# KiCad board SHVC-CPU-01.kicad_pcb
title: SHVC-CPU-01; date: 2025-05-18; rev: A; company: License: CERN-OHL-S; note: This Document Is Not Endorsed by Nintendo; note: Documented by starlightk7 for Repair Usage; note: Originally Designed By Nintendo; note: Used In Launch Super Famicoms and SNES Units
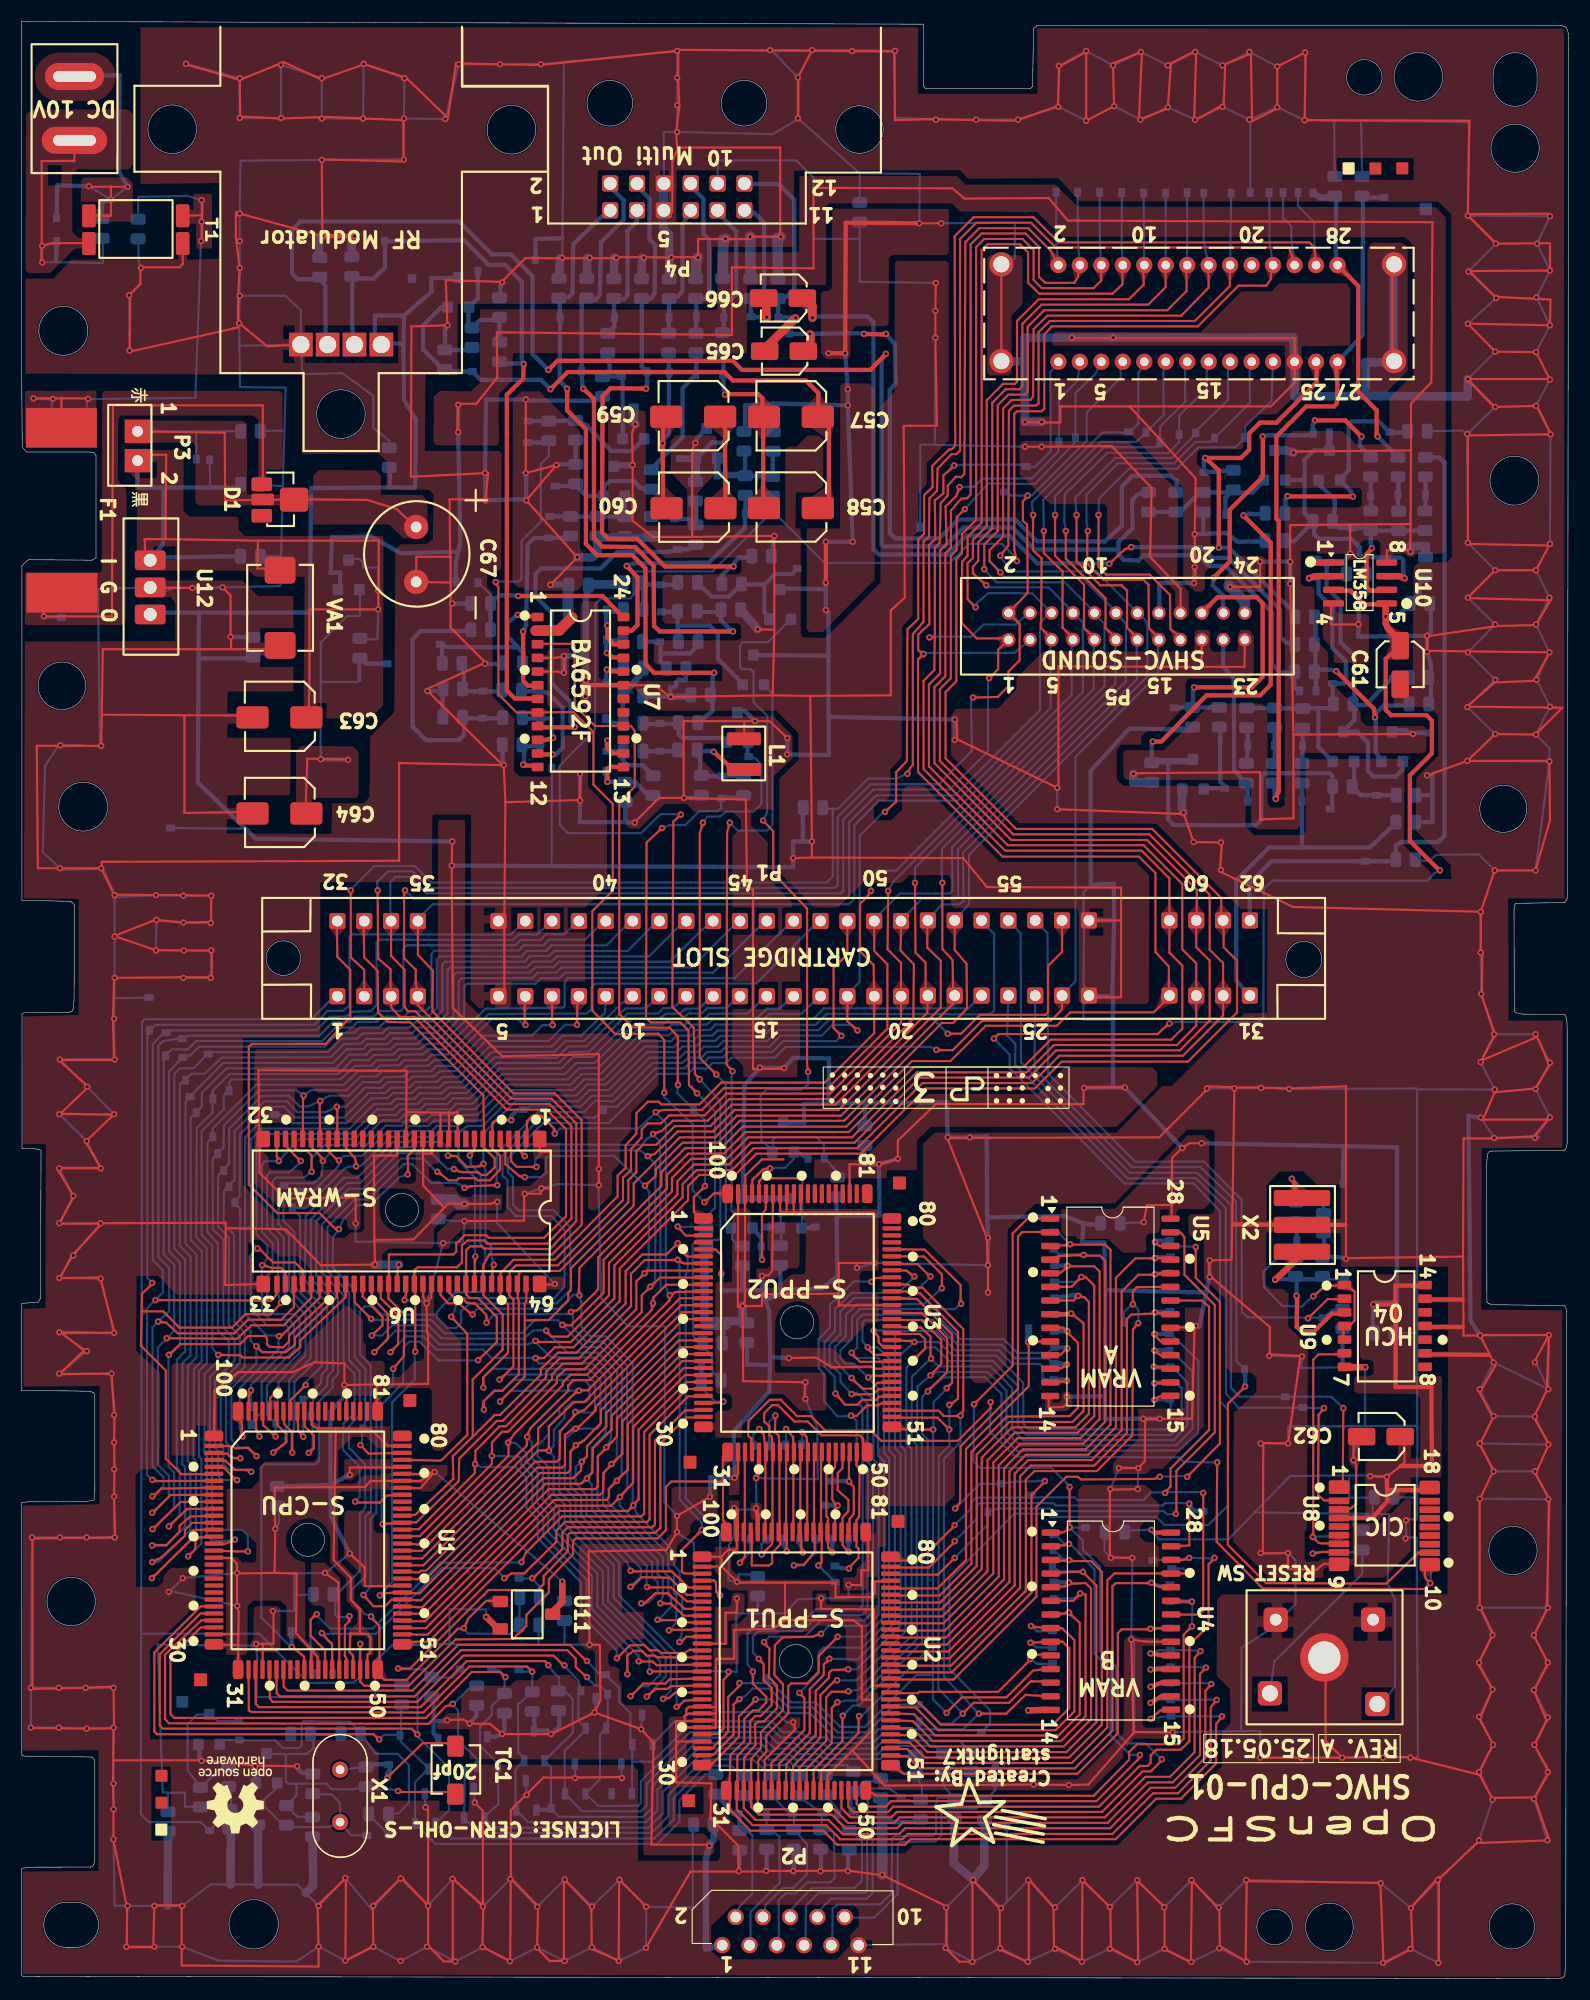
[diagram p0: board, top side]
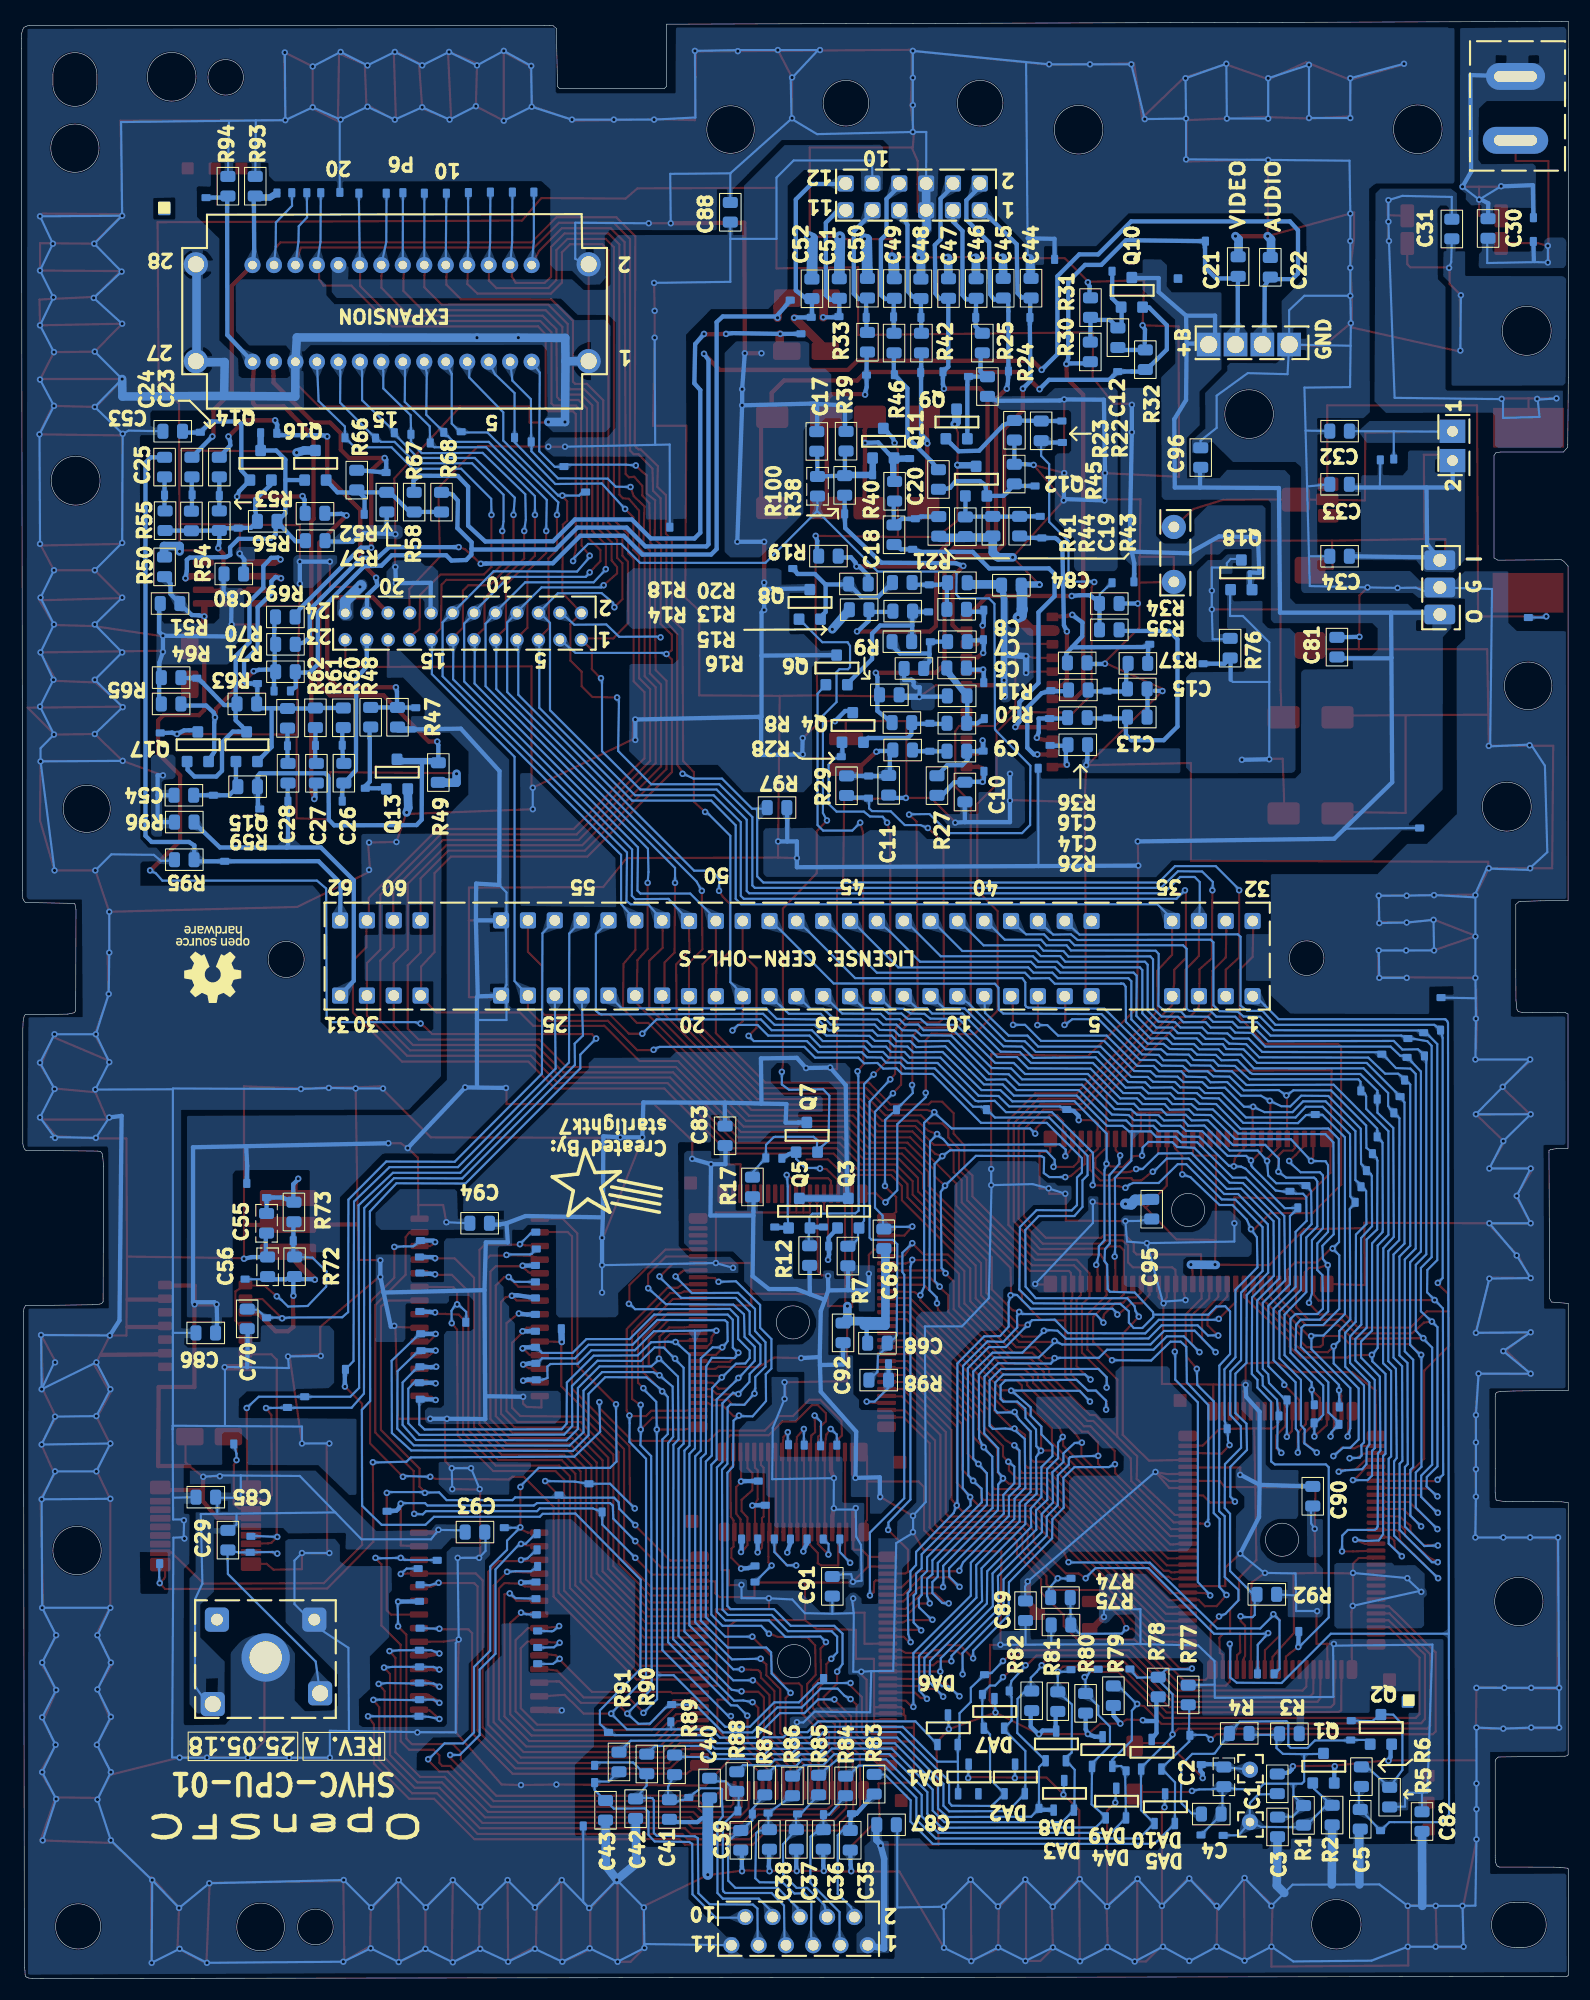
[diagram p1: board, bottom side, seen from below]

Outline 144.1 x 182.2 mm; copper layers: Top, Bottom. Coordinates in mm from the lower left corner of the outline.
Outline path: circle c3.76,120.35 r2.21 ; circle c3.9,153.4 r2.28 ; circle c4.63,35.1 r2.25 ; circle c5.75,109.1 r2.28 ; circle c21.63,5.05 r2.3 ; circle c26.69,40.85 r1.54 ; circle c35.44,71.55 r1.54 ; circle c72.14,29.55 r1.54 ; circle c72.25,61.09 r1.54 ; circle c116.73,4.8 r1.66 ; circle c121.83,4.8 r2.22 ; circle c125.08,177 r1.65 ; circle c130.11,177.05 r2.26 ; circle c138.03,108.9 r2.19 ; circle c138.83,4.85 r2.1 ; circle c138.93,39.85 r2.25 ; circle c139.06,139.45 r2.28 ; circle c139.13,170.4 r2.25 ; 0,0.32 0.03,10.2 0.07,10.27 0.8,10.34 1.4,10.37 6.43,10.38 6.52,10.4 6.64,10.47 6.71,10.58 6.78,10.79 6.82,11.06 6.83,11.28 6.83,11.45 6.83,20.25 6.79,20.38 6.62,20.55 6.53,20.62 0.34,20.7 0.08,20.75 0.04,20.86 0.03,44.3 0.64,44.38 5.88,44.4 6.67,44.51 6.75,44.56 6.84,45.24 6.83,47.46 6.83,54.2 6.8,54.42 6.7,54.57 6.33,54.66 5.1,54.7 0.03,54.75 0.03,62.85 1.59,62.98 1.77,63.33 1.82,76.94 1.82,77.1 1.69,77.16 1.46,77.21 1.15,77.25 0.05,77.29 0.05,89.8 0.19,89.87 0.29,89.92 4.33,89.95 4.69,90.02 4.81,90.23 4.9,91.09 4.91,93.96 4.91,100 4.65,100.24 4.51,100.28 2.64,100.33 0.04,100.37 0.04,131.5 0.44,131.94 0.69,132.09 6.58,132.05 6.94,132.25 6.94,141.8 6.77,142.04 6.36,142.12 0.48,142.12 0.08,142.56 0.07,142.79 0.02,149.03 0.03,182.2 84.03,181.95 84.03,176.15 84.23,175.95 93.98,175.95 94.18,176.15 94.28,181.55 94.58,181.8 94.88,181.85 143.38,181.85 143.68,181.75 143.88,181.65 143.98,181.45 144.1,181.04 144.1,179.65 144.01,101.27 143.98,100.56 143.93,100.43 143.88,100.35 143.76,100.19 143.7,100.17 139.18,100.1 139.12,100.02 139.03,99.51 139.05,90.12 139.17,89.92 139.79,89.79 143.76,89.73 143.83,89.66 143.88,89.49 143.95,89.12 143.98,88.4 143.98,77.75 143.94,77.51 143.84,77.24 143.71,77.11 143.62,77.09 137,77.04 136.72,76.97 136.6,76.81 136.53,76.52 136.46,75.64 136.5,63.29 136.5,63 136.63,62.85 136.8,62.79 137.48,62.73 143.73,62.65 143.87,62.4 143.91,62.12 143.84,1.01 143.78,0.75 143.77,0.37 143.72,0.21 143.66,0.14 143.43,0.05 143.04,0 0.15,0.19 0,0.32 ; 4.18,2.9 arc(2.08,5.03) 4.23,7.1 5.08,7.1 arc(7.18,4.97) 5.03,2.9 4.18,2.9 ; 137.08,177.25 arc(139.13,179.3) 141.18,177.25 141.18,176.35 arc(139.13,174.3) 137.08,176.35 137.08,177.25
Stack: Top 0.035mm / dielectric 1.51mm FR4 er 4.5 / Bottom 0.035mm

## Placement (name value [footprint] x y rotation side)
C1  27pF  [SMD_0805]  27.13 18.13 270 bottom
C2  C  [SMD_0805]  32.1 18.78 270 bottom  (not fitted)
C3  56pF  [SMD_0805]  27.1 14.11 270 bottom
C4  56pF  [SMD_0805]  33.28 15.31 180 bottom
C5  10pF  [SMD_0805]  19.4 14.82 270 bottom
C6  1µF  [SMD_0805]  57 122.01 180 bottom
C7  1µF  [SMD_0805]  56.93 124.46 180 bottom
C8  1µF  [SMD_0805]  56.99 127.47 180 bottom
C9  1µF  [SMD_0805]  56.98 114.26 180 bottom
C10  82pF  [SMD_0805]  56.23 110.46 90 bottom
C11  82pF  [SMD_0805]  63.33 111.09 90 bottom
C12  10pF  [SMD_0805]  41.98 152.76 270 bottom
C13  220pF  [SMD_0805]  40.17 117.44 180 bottom
C14  1µF  [SMD_0805]  45.75 117.39 180 bottom
C15  220pF  [SMD_0805]  40.17 120.06 180 bottom
C16  560nF  [SMD_0805]  45.66 119.96 180 bottom
C17  10pF  [SMD_0805]  70.02 143.1 270 bottom
C18  1µF  [SMD_0805]  62.83 134.41 270 bottom
C19  10pF  [SMD_0805]  53.63 135.21 270 bottom
C20  51nF  [SMD_0805]  58.69 139.56 270 bottom
C21  51pF  [SMD_0805]  30.77 159.38 270 bottom
C22  330pF  [SMD_0805]  27.78 159.32 270 bottom
C23  1µF  [SMD_0805]  125.68 140.71 270 bottom
C24  1µF  [SMD_0805]  128.23 140.71 270 bottom
C25  1µF  [SMD_0805]  130.78 140.71 270 bottom
C26  1µF  [SMD_0805]  114.08 112.21 90 bottom
C27  1µF  [SMD_0805]  116.64 112.21 90 bottom
C28  1µF  [SMD_0805]  119.28 112.21 90 bottom
C29  120nF  [SMD_0805]  124.88 40.81 90 bottom
C30  10nF  [SMD_0805]  7.49 162.93 270 bottom
C31  10nF  [SMD_0805]  10.87 162.88 270 bottom
C32  150nF  [SMD_0805]  21.33 144.06 180 bottom
C33  150nF  [SMD_0805]  21.33 139.11 180 bottom
C34  150nF  [SMD_0805]  21.33 132.41 180 bottom
C35  330pF  [SMD_0805]  66.9 12.87 270 bottom
C36  330pF  [SMD_0805]  69.41 12.95 270 bottom
C37  330pF  [SMD_0805]  71.92 12.95 270 bottom
C38  330pF  [SMD_0805]  74.44 12.95 270 bottom
C39  330pF  [SMD_0805]  77.1 12.87 270 bottom
C40  330pF  [SMD_0805]  80.01 17.73 270 bottom
C41  330pF  [SMD_0805]  83.75 15.74 270 bottom
C42  330pF  [SMD_0805]  86.9 15.81 270 bottom
C43  330pF  [SMD_0805]  89.7 15.66 270 bottom
C44  47pF  [SMD_0805]  50.06 157.37 270 bottom
C45  47pF  [SMD_0805]  52.65 157.36 270 bottom
C46  330pF  [SMD_0805]  55.18 157.34 270 bottom
C47  47pF  [SMD_0805]  57.75 157.34 270 bottom
C48  47pF  [SMD_0805]  60.33 157.31 270 bottom
C49  47pF  [SMD_0805]  62.8 157.34 270 bottom
C50  47pF  [SMD_0805]  65.3 157.37 270 bottom
C51  330pF  [SMD_0805]  67.93 157.34 270 bottom
C52  330pF  [SMD_0805]  70.48 157.31 270 bottom
C53  1µF  [SMD_0805]  130.02 144.05 180 bottom
C54  1µF  [SMD_0805]  128.98 110.16 180 bottom
C55  C  [SMD_0805]  121.28 70.31 270 bottom  (not fitted)
C56  C  [SMD_0805]  121.18 66.26 270 bottom  (not fitted)
C57  100µF  [SMD-Cap-M]  71.98 144.75 0 top
C58  100µF  [SMD-Cap-M]  71.98 136.26 0 top
C59  100µF  [SMD-Cap-M]  62.88 144.76 0 top
C60  100µF  [SMD-Cap-M]  62.91 136.25 0 top
C61  10µF  [SMD-Cap-S]  128.48 122.21 90 top
C62  2.2µF  [SMD-Cap-S]  126.55 50.4 0 top
C63  33µF  [SMD-Cap-M]  24.34 116.78 0 top
C64  33µF  [SMD-Cap-M]  24.34 107.83 0 top
C65  10µF  [SMD-Cap-S]  70.95 151.45 0 top
C66  10µF  [SMD-Cap-S]  70.86 156.4 0 top
C67  1000uf  [FilterCap]  36.82 132.54 0 top
C68  56pF  [SMD_0805]  64.37 59.15 0 bottom
C69  82pF  [SMD_0805]  63.77 68.86 90 bottom
C70  82pF  [SMD_0805]  123.08 61.41 270 bottom
C80  120nF  [SMD_0805]  124.33 130.76 0 bottom
C81  1µF  [SMD_0805]  21.58 123.95 90 bottom
C82  12nF  [SMD_0805]  13.65 14.61 270 bottom
C83  120nF  [SMD_0805]  78.56 78.46 90 bottom
C84  1µF  [SMD_0805]  51.9 129.72 180 bottom
C85  120nF  [SMD_0805]  126.93 44.81 180 bottom
C86  10nF  [SMD_0805]  126.94 60.1 0 bottom
C87  10nF  [SMD_0805]  63.53 14.31 180 bottom
C88  10nF  [SMD_0805]  78.08 164.44 270 bottom
C89  10nF  [SMD_0805]  50.58 34.25 270 bottom
C90  10nF  [SMD_0805]  23.83 44.9 270 bottom
C91  10nF  [SMD_0805]  68.58 36.51 270 bottom
C92  10nF  [SMD_0805]  67.57 60.11 270 bottom
C93  10nF  [SMD_0805]  101.86 41.56 180 bottom
C94  10nF  [SMD_0805]  101.43 70.31 0 bottom
C95  10nF  [SMD_0805]  38.83 71.62 270 bottom
C96  10nF  [SMD_0805]  34.26 141.6 90 bottom
D1  SOT-89 Schottky Diode  [D1]  24.14 136.98 0 top
DA1  DAP202  [DA_SOT]  55.88 18.56 180 bottom
DA2  DAP202  [DA_SOT]  51.55 18.56 180 bottom
DA3  DAP202  [DA_SOT]  46.98 17.04 180 bottom
DA4  DAP202  [DA_SOT]  42.13 16.31 180 bottom
DA5  DAP202  [DA_SOT]  37.58 15.79 180 bottom
DA6  DAN202  [DA_SOT]  57.8 23.14 180 bottom
DA7  DAN202  [DA_SOT]  53.48 24.66 180 bottom
DA8  DAN202  [DA_SOT]  47.73 21.64 180 bottom
DA9  DAN202  [DA_SOT]  43.4 21.11 180 bottom
DA10  DAN202  [DA_SOT]  38.83 20.86 180 bottom
F1  125V 1.5A Fuse  [Fuse]  3.77 137.03 0 top
G2***  -  [LOGO]  89.77 72.58 140 bottom
G***  -  [LOGO]  90.09 13.93 40 top
J1  DC Jack  [DCJack]  5.19 173.83 0 top
L1  22uH  [L1]  67.38 114.31 0 top
P1  62 Pin  Slot  [CartSlot]  71.93 94.95 0 top
P2  11 Pin FFC Connector  [ControllerRibbon]  71.69 4.35 180 top
P3  Conn_02x01  [PowerSwitchConnector]  10.5 142.1 0 top
P4  Nintendo Multi-Out  [MultiOut]  60.56 172.39 0 top
P5  2x12 Connector Male  [SHVC-SOUND-MB]  101.76 125.4 0 top
P6  14x2 Connector Male  [ExpansionConnector]  110.18 154.89 0 top
P7  RF Modulator  [RFOutput]  29.78 161.96 0 top
Q1  C4699  [Q_SOT_NPM_BEC]  22.83 19.56 180 bottom
Q2  C4699  [Q_SOT_NPM_BEC]  17.48 23.17 180 bottom
Q3  A1037  [Q_SOT_PNP_EBC]  67.09 71.23 180 bottom
Q4  A1037  [Q_SOT_PNP_EBC]  66.67 116.45 180 bottom
Q5  A1037  [Q_SOT_PNP_EBC]  71.65 71.23 180 bottom
Q6  A1037  [Q_SOT_PNP_EBC]  68.18 121.81 180 bottom
Q7  A1037  [Q_SOT_PNP_EBC]  70.95 78.3 180 bottom
Q8  A1037  [Q_SOT_PNP_EBC]  70.68 127.91 180 bottom
Q9  C2412  [Q_SOT_NPM_BEC_Alt]  57 144.71 180 bottom
Q10  C2412  [Q_SOT_NPM_BEC_Alt]  40.68 156.97 180 bottom
Q11  C2412  [Q_SOT_NPM_BEC_Alt]  63.83 142.92 180 bottom
Q12  C2412  [Q_SOT_NPM_BEC_Alt]  55.18 139.39 180 bottom
Q13  C2412  [Q_SOT_NPM_BEC_Alt]  109.13 112.11 180 bottom
Q14  C2412  [Q_SOT_NPM_BEC_Alt]  121.83 140.86 180 bottom
Q15  C2412  [Q_SOT_NPM_BEC_Alt]  123.13 114.66 180 bottom
Q16  C2412  [Q_SOT_NPM_BEC_Alt]  116.73 140.86 180 bottom
Q17  C2412  [Q_SOT_NPM_BEC_Alt]  127.68 114.66 180 bottom
Q18  C2412  [Q_SOT_NPM_BEC_Alt]  30.48 130.66 180 bottom
R1  2.4k  [SMD_0805]  24.68 15.19 270 bottom
R2  4.3k  [SMD_0805]  22.02 15.22 270 bottom
R3  560  [SMD_0805]  26 22.79 180 bottom
R4  1.2k  [SMD_0805]  30.68 22.81 180 bottom
R5  200  [SMD_0805]  16.66 16.88 270 bottom
R6  100  [SMD_0805]  19.29 18.79 270 bottom
R7  10k  [SMD_0805]  67.13 67.26 90 bottom
R8  130  [SMD_0805]  62.1 116.93 180 bottom
R9  180  [SMD_0805]  63.26 119.51 180 bottom
R10  300  [SMD_0805]  56.98 116.86 180 bottom
R11  120  [SMD_0805]  56.95 119.41 180 bottom
R12  10k  [SMD_0805]  70.69 67.3 90 bottom
R13  130  [SMD_0805]  62.02 127.3 180 bottom
R14  180  [SMD_0805]  66.08 127.44 180 bottom
R15  300  [SMD_0805]  62.1 124.46 180 bottom
R16  120  [SMD_0805]  60.98 121.96 180 bottom
R17  10k  [SMD_0805]  76.01 73.69 90 bottom
R18  130  [SMD_0805]  66.14 129.83 180 bottom
R19  180  [SMD_0805]  68.94 132.43 180 bottom
R20  300  [SMD_0805]  62.06 129.96 180 bottom
R21  120  [SMD_0805]  56.93 129.95 180 bottom
R22  1.8k  [SMD_0805]  49.12 144.09 270 bottom
R23  3.3k  [SMD_0805]  51.61 144.14 270 bottom
R24  300  [SMD_0805]  54.13 148.21 270 bottom
R25  100  [SMD_0805]  54.6 152.26 270 bottom
R26  1.8k  [SMD_0805]  45.71 114.86 180 bottom
R27  1.2k  [SMD_0805]  58.83 111.06 90 bottom
R28  3.3k  [SMD_0805]  62.03 114.37 180 bottom
R29  10k  [SMD_0805]  67.25 111.05 90 bottom
R30  470  [SMD_0805]  44.54 151.44 270 bottom
R31  10k  [SMD_0805]  44.53 155.56 270 bottom
R32  100  [SMD_0805]  39.42 150.71 270 bottom
R33  56  [SMD_0805]  65.3 152.34 270 bottom
R34  1k  [SMD_0805]  42.78 128.01 180 bottom
R35  270  [SMD_0805]  42.78 125.56 180 bottom
R36  1k  [SMD_0805]  45.76 122.49 180 bottom
R37  270  [SMD_0805]  40.11 122.44 180 bottom
R38  470  [SMD_0805]  67.43 139.01 270 bottom
R39  10k  [SMD_0805]  67.3 143.12 270 bottom
R40  39  [SMD_0805]  62.78 138.46 270 bottom
R41  39  [SMD_0805]  58.66 135.19 270 bottom
R42  39  [SMD_0805]  60.27 152.26 270 bottom
R43  470  [SMD_0805]  51.13 135.21 270 bottom
R44  10k  [SMD_0805]  56.19 135.16 270 bottom
R45  200  [SMD_0805]  51.63 140.06 270 bottom
R46  270  [SMD_0805]  62.83 152.26 270 bottom
R47  4.3k  [SMD_0805]  109.08 117.42 90 bottom
R48  33k  [SMD_0805]  111.58 117.42 90 bottom
R49  1k  [SMD_0805]  105.28 112.27 90 bottom
R50  33k  [SMD_0805]  130.78 131.42 90 bottom
R51  24k  [SMD_0805]  130.26 128.01 180 bottom
R52  1k  [SMD_0805]  116.76 136.41 0 bottom
R53  10k  [SMD_0805]  125.68 135.72 90 bottom
R54  10k  [SMD_0805]  128.28 135.7 90 bottom
R55  10k  [SMD_0805]  130.73 135.72 90 bottom
R56  24k  [SMD_0805]  121.21 135.66 0 bottom
R57  1.8k  [SMD_0805]  116.74 133.86 0 bottom
R58  1k  [SMD_0805]  110.08 137.45 270 bottom
R59  1k  [SMD_0805]  123.04 110.96 0 bottom
R60  10k  [SMD_0805]  114.13 117.37 90 bottom
R61  10k  [SMD_0805]  116.73 117.37 90 bottom
R62  10k  [SMD_0805]  119.33 117.32 90 bottom
R63  24k  [SMD_0805]  123.11 118.66 180 bottom
R64  1.8k  [SMD_0805]  130.16 121.11 180 bottom
R65  1k  [SMD_0805]  130.16 118.66 180 bottom
R66  10k  [SMD_0805]  112.88 139.5 270 bottom
R67  1k  [SMD_0805]  107.53 137.45 270 bottom
R68  10k  [SMD_0805]  104.98 137.45 270 bottom
R69  10k  [SMD_0805]  119.53 126.76 180 bottom
R70  1k  [SMD_0805]  119.51 124.21 180 bottom
R71  10k  [SMD_0805]  119.51 121.66 180 bottom
R72  1m  [SMD_0805]  118.67 66.27 90 bottom
R73  2.2k  [SMD_0805]  118.73 71.36 90 bottom
R74  2.2k  [SMD_0805]  47.33 35.46 0 bottom
R75  100k  [SMD_0805]  47.28 32.91 0 bottom
R76  1.8k  [SMD_0805]  31.52 123.86 90 bottom
R77  10k  [SMD_0805]  35.43 26.4 90 bottom
R78  10k  [SMD_0805]  38.22 27.14 90 bottom
R79  10k  [SMD_0805]  42.39 26.33 90 bottom
R80  10k  [SMD_0805]  44.98 25.62 90 bottom
R81  10k  [SMD_0805]  47.57 25.78 90 bottom
R82  10k  [SMD_0805]  50 25.86 90 bottom
R83  100  [SMD_0805]  64.68 18.09 270 bottom
R84  100  [SMD_0805]  67.34 17.93 270 bottom
R85  100  [SMD_0805]  69.85 18.01 270 bottom
R86  100  [SMD_0805]  72.29 17.93 270 bottom
R87  100  [SMD_0805]  74.87 18.01 270 bottom
R88  100  [SMD_0805]  77.48 18.34 270 bottom
R89  100  [SMD_0805]  83.27 19.89 270 bottom
R90  100  [SMD_0805]  85.86 19.97 270 bottom
R91  100  [SMD_0805]  88.45 20.16 270 bottom
R92  10k  [SMD_0805]  28.1 35.76 0 bottom
R93  200  [SMD_0805]  122.33 166.86 270 bottom
R94  200  [SMD_0805]  124.88 166.86 270 bottom
R95  200  [SMD_0805]  128.94 104.16 0 bottom
R96  200  [SMD_0805]  128.94 107.66 0 bottom
R97  10k  [SMD_0805]  73.73 109.01 0 bottom
R98  100  [SMD_0805]  64.25 55.71 0 bottom
R100  1k  [SMD_0805]  69.96 138.93 270 bottom  (not fitted)
T1  L_Coupled  [T1]  10.9 162.94 0 top
TC1  20-30pF  [TrimmerCap]  40.48 19.46 0 top
TP1  TestPoint_Small  [TestPad]  32.2 13.38 0 bottom
TP2  TestPoint_Small  [TestPad]  34.27 13.42 0 bottom
TP3  TestPoint_Small  [TestPad]  17.54 13.82 0 bottom
TP4  TestPoint_Small  [TestPad]  34.18 19.86 180 bottom
TP5  TestPoint_Small  [TestPad]  69.46 15.23 270 bottom
TP6  TestPoint_Small  [TestPad]  66.82 15.4 0 bottom
TP7  TestPoint_Small  [TestPad]  71.85 15.38 0 bottom
TP8  TestPoint_Small  [TestPad]  74.59 15.46 0 bottom
TP9  TestPoint_Small  [TestPad]  76.08 15.28 270 bottom
TP10  TestPoint_Small  [TestPad]  41.27 19.3 270 bottom
TP11  TestPoint_Small  [TestPad]  54.65 26.41 270 bottom
TP12  TestPoint_Small  [TestPad]  52.16 26.74 270 bottom
TP13  TestPoint_Small  [TestPad]  70.58 154.71 0 bottom
TP14  TestPoint_Small  [TestPad]  54.43 28.34 0 bottom
TP15  TestPoint_Small  [TestPad]  49.38 15.8 270 bottom
TP16  TestPoint_Small  [TestPad]  43.78 28.74 180 bottom
TP17  TestPoint_Small  [TestPad]  35.33 22.61 270 bottom
TP18  TestPoint_Small  [TestPad]  67.93 154.66 180 bottom
TP19  TestPoint_Small  [TestPad]  65.48 154.61 270 bottom
TP20  TestPoint_Small  [TestPad]  62.93 154.66 270 bottom
TP21  TestPoint_Small  [TestPad]  60.38 154.61 270 bottom
TP22  TestPoint_Small  [TestPad]  58.33 149.56 270 bottom
TP23  TestPoint_Small  [TestPad]  55.93 149.21 0 bottom
TP24  TestPoint_Small  [TestPad]  65.23 112.01 0 bottom
TP25  TestPoint_Small  [TestPad]  65.23 109.94 0 bottom
TP26  TestPoint_Small  [TestPad]  54.51 112.36 270 bottom
TP27  TestPoint_Small  [TestPad]  54.56 114.33 0 bottom
TP28  TestPoint_Small  [TestPad]  59.53 114.31 0 bottom
TP29  TestPoint_Small  [TestPad]  59.53 116.91 0 bottom
TP30  TestPoint_Small  [TestPad]  54.48 117.26 270 bottom
TP31  TestPoint_Small  [TestPad]  55.28 154.61 270 bottom
TP32  TestPoint_Small  [TestPad]  54.53 120.61 270 bottom
TP33  TestPoint_Small  [TestPad]  67.78 113.81 0 bottom
TP34  TestPoint_Small  [TestPad]  59.58 129.81 0 bottom
TP35  TestPoint_Small  [TestPad]  59.64 127.29 0 bottom
TP36  TestPoint_Small  [TestPad]  59.48 124.51 0 bottom
TP37  TestPoint_Small  [TestPad]  72.23 131.21 180 bottom
TP38  TestPoint_Small  [TestPad]  61.13 133.11 0 bottom
TP39  TestPoint_Small  [TestPad]  60.88 135.96 0 bottom
TP40  TestPoint_Small  [TestPad]  61.34 141.45 180 bottom
TP41  TestPoint_Small  [TestPad]  54.55 124.61 270 bottom
TP42  TestPoint_Small  [TestPad]  54.53 127.36 270 bottom
TP43  TestPoint_Small  [TestPad]  52.23 149.61 270 bottom
TP44  TestPoint_Small  [TestPad]  50.23 154.61 270 bottom
TP45  TestPoint_Small  [TestPad]  47.93 160.01 270 bottom
TP46  TestPoint_Small  [TestPad]  64.88 139.96 270 bottom
TP47  TestPoint_Small  [TestPad]  65.43 149.34 0 bottom
TP48  TestPoint_Small  [TestPad]  62.85 149.29 270 bottom
TP49  TestPoint_Small  [TestPad]  60.4 149.49 270 bottom
TP50  TestPoint_Small  [TestPad]  47.23 145.06 0 bottom
TP51  TestPoint_Small  [TestPad]  47.18 143.06 0 bottom
TP52  TestPoint_Small  [TestPad]  49.73 139.01 0 bottom
TP53  TestPoint_Small  [TestPad]  42.03 149.66 0 bottom
TP54  TestPoint_Small  [TestPad]  33.88 161.71 270 bottom
TP55  TestPoint_Small  [TestPad]  42.58 158.91 270 bottom
TP56  TestPoint_Small  [TestPad]  42.98 117.41 0 bottom
TP57  TestPoint_Small  [TestPad]  43.01 119.92 0 bottom
TP58  TestPoint_Small  [TestPad]  48.26 119.95 0 bottom
TP59  TestPoint_Small  [TestPad]  48.38 117.36 0 bottom
TP60  TestPoint_Small  [TestPad]  48.33 114.86 0 bottom
TP61  TestPoint_Small  [TestPad]  42.58 129.91 270 bottom
TP62  TestPoint_Small  [TestPad]  49.18 136.07 180 bottom
TP63  TestPoint_Small  [TestPad]  49.03 134.06 180 bottom
TP64  TestPoint_Small  [TestPad]  40.43 130.06 90 bottom
TP65  TestPoint_Small  [TestPad]  34.08 122.46 0 bottom
TP66  TestPoint_Small  [TestPad]  107.41 118.37 0 bottom
TP67  TestPoint_Small  [TestPad]  119.11 119.84 270 bottom
TP68  TestPoint_Small  [TestPad]  120.63 119.83 270 bottom
TP69  TestPoint_Small  [TestPad]  122.16 120.62 0 bottom
TP70  TestPoint_Small  [TestPad]  127.81 121.12 0 bottom
TP71  TestPoint_Small  [TestPad]  131.21 116.02 0 bottom
TP72  TestPoint_Small  [TestPad]  126.26 110.22 0 bottom
TP73  TestPoint_Small  [TestPad]  125.21 104.07 0 bottom
TP74  TestPoint_Small  [TestPad]  121.88 108.82 180 bottom
TP75  TestPoint_Small  [TestPad]  112.11 110.87 0 bottom
TP76  TestPoint_Small  [TestPad]  119.38 114.73 270 bottom
TP77  TestPoint_Small  [TestPad]  116.78 114.76 270 bottom
TP78  TestPoint_Small  [TestPad]  114.28 114.78 270 bottom
TP79  TestPoint_Small  [TestPad]  114.28 109.58 270 bottom
TP80  TestPoint_Small  [TestPad]  119.34 109.57 270 bottom
TP81  TestPoint_Small  [TestPad]  121.88 143.88 270 bottom
TP82  TestPoint_Small  [TestPad]  120.38 143.83 270 bottom
TP83  TestPoint_Small  [TestPad]  114.03 143.41 270 bottom
TP84  TestPoint_Small  [TestPad]  110.18 140.26 0 bottom
TP85  TestPoint_Small  [TestPad]  111.18 143.38 270 bottom
TP86  TestPoint_Small  [TestPad]  109.43 143.88 270 bottom
TP87  TestPoint_Small  [TestPad]  107.88 143.73 270 bottom
TP88  TestPoint_Small  [TestPad]  106.08 142.93 270 bottom
TP89  TestPoint_Small  [TestPad]  104.83 143.91 270 bottom
TP90  TestPoint_Small  [TestPad]  103.18 144.06 0 bottom
TP91  TestPoint_Small  [TestPad]  127.48 144.01 0 bottom
TP92  TestPoint_Small  [TestPad]  128.27 138.1 270 bottom
TP93  TestPoint_Small  [TestPad]  130.83 138.08 270 bottom
TP94  TestPoint_Small  [TestPad]  125.73 138.03 270 bottom
TP95  TestPoint_Small  [TestPad]  112.23 136.28 270 bottom
TP96  TestPoint_Small  [TestPad]  123.95 135.09 0 bottom
TP97  TestPoint_Small  [TestPad]  72.53 156.31 0 bottom
TP98  TestPoint_Small  [TestPad]  11.84 91.27 180 bottom
TP99  TestPoint_Small  [TestPad]  11.98 88.26 270 bottom
TP100  TestPoint_Small  [TestPad]  13.53 88.11 0 bottom
TP101  TestPoint_Small  [TestPad]  14.99 87.57 0 bottom
TP102  TestPoint_Small  [TestPad]  13.48 85.86 270 bottom
TP103  TestPoint_Small  [TestPad]  15.07 85.81 0 bottom
TP104  TestPoint_Small  [TestPad]  17.43 86.11 0 bottom
TP105  TestPoint_Small  [TestPad]  15.33 83.61 270 bottom
TP106  TestPoint_Small  [TestPad]  15.73 82.16 0 bottom
TP107  TestPoint_Small  [TestPad]  16.33 80.56 270 bottom
TP108  TestPoint_Small  [TestPad]  17.88 81.84 270 bottom
TP109  TestPoint_Small  [TestPad]  19.4 82.61 270 bottom
TP110  TestPoint_Small  [TestPad]  73.97 70.02 0 bottom
TP111  TestPoint_Small  [TestPad]  68.22 49.62 270 bottom
TP112  TestPoint_Small  [TestPad]  69.73 49.56 270 bottom
TP113  TestPoint_Small  [TestPad]  71.25 49.62 270 bottom
TP114  TestPoint_Small  [TestPad]  72.71 49.66 270 bottom
TP115  TestPoint_Small  [TestPad]  69.38 69.91 180 bottom
TP116  TestPoint_Small  [TestPad]  68.97 68.15 270 bottom
TP117  TestPoint_Small  [TestPad]  63.4 57.21 270 bottom
TP118  TestPoint_Small  [TestPad]  74.83 76.36 270 bottom
TP119  TestPoint_Small  [TestPad]  73.33 76.33 270 bottom
TP120  TestPoint_Small  [TestPad]  62.66 80.85 270 bottom
TP121  TestPoint_Small  [TestPad]  96.23 69.55 0 bottom
TP122  TestPoint_Small  [TestPad]  96.19 67.98 0 bottom
TP123  TestPoint_Small  [TestPad]  96.26 66.44 0 bottom
TP124  TestPoint_Small  [TestPad]  96.26 64.91 0 bottom
TP125  TestPoint_Small  [TestPad]  96.26 63.42 0 bottom
TP126  TestPoint_Small  [TestPad]  96.26 61.89 0 bottom
TP127  TestPoint_Small  [TestPad]  96.26 60.31 0 bottom
TP128  TestPoint_Small  [TestPad]  96.26 58.82 0 bottom
TP129  TestPoint_Small  [TestPad]  96.23 57.33 0 bottom
TP130  TestPoint_Small  [TestPad]  96.19 55.8 0 bottom
TP131  TestPoint_Small  [TestPad]  102.78 61.06 270 bottom
TP132  TestPoint_Small  [TestPad]  106.98 68.76 0 bottom
TP133  TestPoint_Small  [TestPad]  107.07 67.23 0 bottom
TP134  TestPoint_Small  [TestPad]  107.03 65.74 0 bottom
TP135  TestPoint_Small  [TestPad]  93.88 60.46 270 bottom
TP136  TestPoint_Small  [TestPad]  107.03 62.16 0 bottom
TP137  TestPoint_Small  [TestPad]  106.95 60.08 0 bottom
TP138  TestPoint_Small  [TestPad]  106.93 58.51 0 bottom
TP139  TestPoint_Small  [TestPad]  107.03 57.01 0 bottom
TP140  TestPoint_Small  [TestPad]  107.07 55.52 0 bottom
TP141  TestPoint_Small  [TestPad]  106.99 53.99 0 bottom
TP142  TestPoint_Small  [TestPad]  121.24 61.46 180 bottom
TP143  TestPoint_Small  [TestPad]  123.24 65.06 180 bottom
TP144  TestPoint_Small  [TestPad]  118.84 68.66 270 bottom
TP145  TestPoint_Small  [TestPad]  121.24 72.66 180 bottom
TP146  TestPoint_Small  [TestPad]  123.17 73.99 270 bottom
TP147  TestPoint_Small  [TestPad]  119.29 53.11 180 bottom
TP148  TestPoint_Small  [TestPad]  117.69 54.11 180 bottom
TP149  TestPoint_Small  [TestPad]  113.98 56.68 270 bottom
TP150  TestPoint_Small  [TestPad]  124.38 49.73 270 bottom
TP151  TestPoint_Small  [TestPad]  126.95 165.86 0 bottom
TP152  TestPoint_Small  [TestPad]  120.36 166.2 270 bottom
TP153  TestPoint_Small  [TestPad]  118.98 166.23 270 bottom
TP154  TestPoint_Small  [TestPad]  117.58 166.23 270 bottom
TP155  TestPoint_Small  [TestPad]  116.28 166.23 270 bottom
TP156  TestPoint_Small  [TestPad]  114.5 166.25 270 bottom
TP157  TestPoint_Small  [TestPad]  112.73 166.18 270 bottom
TP158  TestPoint_Small  [TestPad]  110.18 166.18 270 bottom
TP159  TestPoint_Small  [TestPad]  108.63 166.23 270 bottom
TP160  TestPoint_Small  [TestPad]  106.63 166.18 270 bottom
TP161  TestPoint_Small  [TestPad]  104.58 166.18 270 bottom
TP162  TestPoint_Small  [TestPad]  102.53 166.25 270 bottom
TP163  TestPoint_Small  [TestPad]  100.48 166.28 270 bottom
TP164  TestPoint_Small  [TestPad]  98.43 166.28 270 bottom
TP165  TestPoint_Small  [TestPad]  96.43 166.28 270 bottom
TP166  TestPoint_Small  [TestPad]  91.53 138.34 180 bottom
TP167  TestPoint_Small  [TestPad]  98.23 143.43 270 bottom
TP168  TestPoint_Small  [TestPad]  96.68 143.03 270 bottom
TP169  TestPoint_Small  [TestPad]  93.61 140.82 0 bottom